# Allegro board STANDARD.brd (continued)
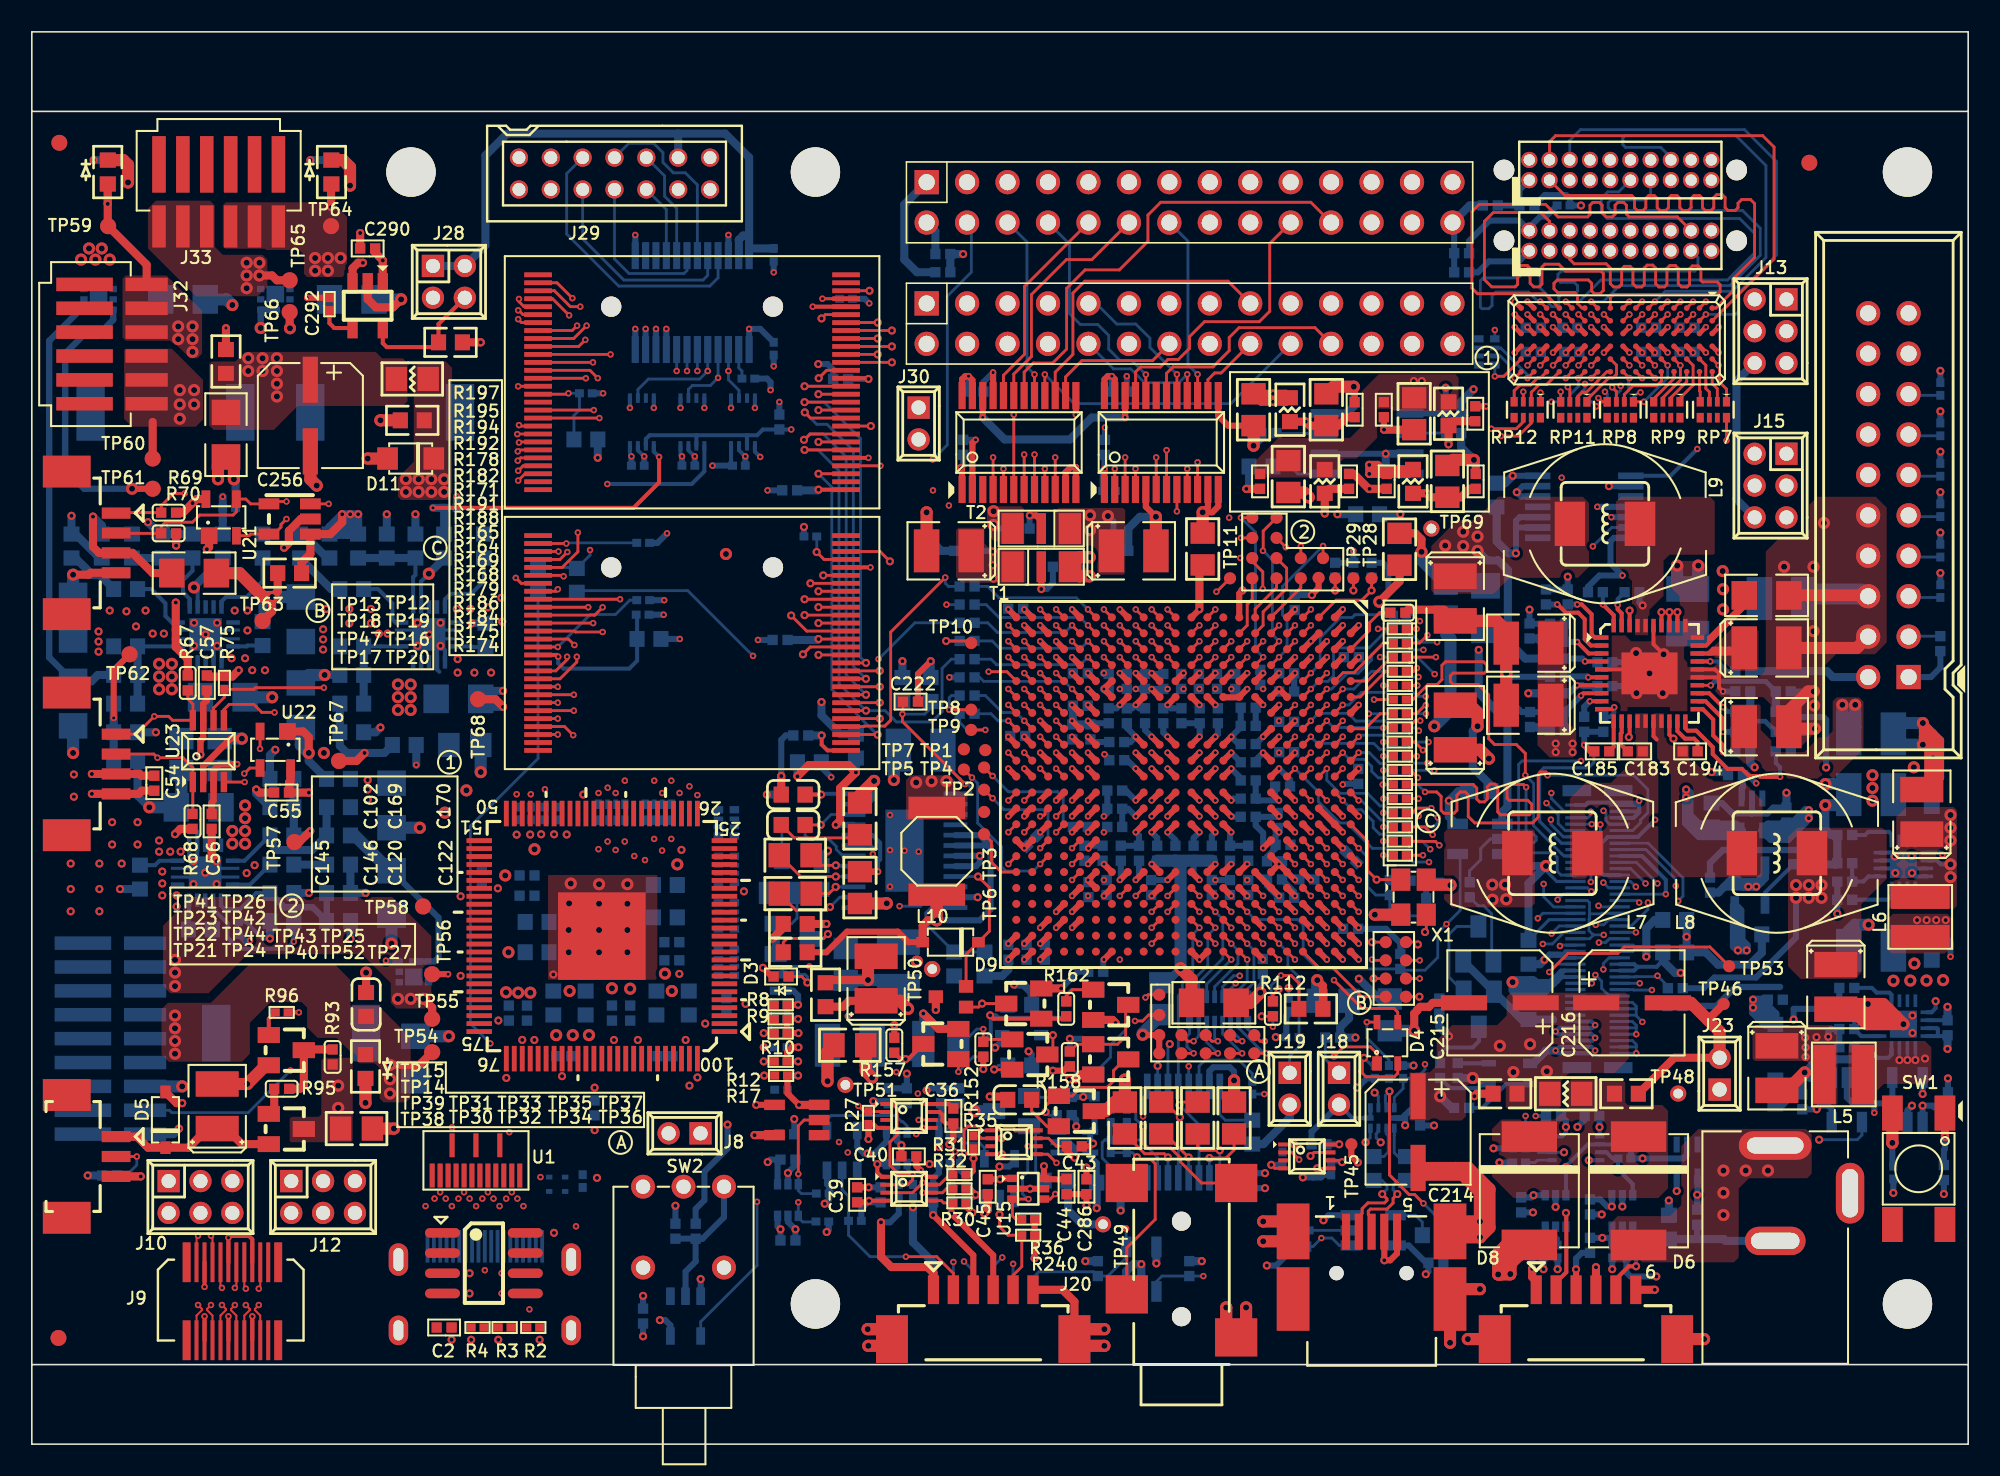
[diagram p0: board, top side]
## Routing (per net, layer and track width the routed paths; a pad name or vN(x,y) marks a point on that pad's centre or on a via; arc(x,y) is an arc through that point) (continued)
SYS_DATA02: length 28.4
  TOP w0.178: U6.B2 v3(105.13,70.98)
  BOTTOM w0.178: J1.6 96.58,81.92 97.26,82.6 107.55,82.6 109.56,80.59 109.56,74.71 107.19,72.34 107.19,71.18 106.99,70.98 v3(105.13,70.98)
SYS_DATA03: length 28.3
  TOP w0.178: U6.B1 v3(105.13,71.78)
  3-SIG w0.122: J1.5 96.25,79.42 96.02,79.19 96.02,78.81 96.23,78.61 101.11,78.61 101.23,78.49 101.23,77.76 101.36,77.63 103.09,77.63 103.21,77.76 103.21,78 103.09,78.12 101.84,78.12 101.72,78.24 101.72,78.49 101.84,78.61 108.34,78.61 108.69,78.26 108.69,73.55 108.39,73.25 107.66,73.25 107.02,72.61 107.02,72.08 106.72,71.78 v3(105.13,71.78)
SYS_DATA04: length 28.2
  TOP w0.178: U6.C2 v3(104.33,70.98)
  3-SIG w0.122: J1.8 97.85,81.5 98.66,82.32 107.1,82.32 109.28,80.13 109.28,71.4 108.8,70.91 107.27,70.91 106.98,70.62 104.69,70.62 v3(104.33,70.98)
SYS_DATA05: length 28.2
  TOP w0.178: U6.C1 v3(104.33,71.78)
  4--SIG w0.122: v3(104.33,71.78) 104.56,71.78 104.96,72.18 105.95,72.18 108.06,74.29 108.06,77.64 107.38,78.33 104.03,78.33 103.9,78.21 103.9,77.96 104.03,77.84 107.08,77.84 107.2,77.72 107.2,77.48 107.08,77.35 98.37,77.35 97.85,77.87 J1.7
SYS_DATA06: length 28.2
  TOP w0.178: U6.D2 v3(103.53,70.98)
  3-SIG w0.122: 102.93,74.98 102.93,74.55 103.29,74.19 107.81,74.19 108.11,74.49 108.11,76.32 107.52,76.92 103.86,76.92 103.74,77.04 103.74,77.41 103.87,77.54 107.78,77.54 108.47,76.86 108.47,74.06 107.96,73.55 107.12,73.55 106.74,73.17 106.74,72.44 106.46,72.16 104.07,72.16 103.9,71.98 103.9,71.6 103.53,71.23 v3(103.53,70.98)
SYS_DATA07: length 28.2
  TOP w0.178: U6.D1 v3(103.53,71.78)
  4--SIG w0.122: v3(103.53,71.78) 103.53,73.71 103.65,73.83 103.89,73.83 104.02,73.71 104.02,72.29 104.14,72.17 104.38,72.17 104.5,72.29 104.5,73.71 104.62,73.83 104.87,73.83 104.99,73.71 104.99,72.75 105.11,72.63 105.36,72.63 105.48,72.75 105.48,73.51 105.67,73.71 106.49,73.71 106.59,73.81 106.59,74.12 106.44,74.27 103.28,74.27 103.15,74.14 103.15,72.44 103.01,72.29 101.3,72.29 101.18,72.41 101.18,72.66 101.3,72.78 102.62,72.78 102.74,72.9 102.74,73.14 102.62,73.27 101.3,73.27 101.18,73.39 101.18,73.63 101.3,73.75 102.62,73.75 102.74,73.87 102.74,74.12 102.62,74.24 99.86,74.24 J4.9
SYS_DATA08: length 28.3
  TOP w0.178: U6.E2 v3(102.73,70.98)
  3-SIG w0.122: J4.11 99.88,74.47 99.63,74.47 99.32,74.16 99.32,69.52 99.81,69.03 106.97,69.03 107.1,69.16 107.1,69.42 106.95,69.57 100.09,69.57 99.86,69.8 99.86,72.01 100.06,72.21 102.02,72.21 102.29,71.94 102.29,71.42 v3(102.73,70.98)
SYS_DATA09: length 28.2
  TOP w0.178: U6.E1 v3(102.73,71.78)
  3-SIG w0.122: v3(102.73,71.78) 102.73,72.23 102.96,72.46 105.76,72.46 106,72.71 106,73.55 105.75,73.81 103.01,73.81 102.91,73.91 102.91,74.11 102.78,74.24 102.54,74.24 102.42,74.12 102.42,73.76 102.32,73.66 102.09,73.66 101.99,73.76 101.99,74.11 101.92,74.19 101.58,74.19 101.48,74.08 101.48,73.94 101.35,73.81 100.29,73.81 100.14,73.66 100.14,73.48 100.29,73.32 105.53,73.32 105.65,73.2 105.65,72.96 105.53,72.83 99.82,72.83 99.65,73 99.65,73.68 100.19,74.22 100.85,74.22 101.61,74.98 101.66,74.98
SYS_DATA10: length 28.3
  TOP w0.178: U6.F2 v3(101.93,70.98)
  4--SIG w0.122: J1.10 99.12,81.68 99.73,82.29 108.01,82.29 108.51,81.79 108.51,73.5 107.3,72.3 107.3,71.22 106.7,70.62 102.29,70.62 v3(101.93,70.98)
SYS_DATA11: length 28.2
  TOP w0.178: U6.F1 v3(101.93,71.78)
  BOTTOM w0.178: 102.93,80.69 102.93,80.84 102.3,81.48 100.09,81.48 99.91,81.66 99.91,82.06 100.06,82.22 107.02,82.22 108.9,80.34 108.9,74.56 106.78,72.44 102.58,72.44 v3(101.93,71.78)
SYS_DATA12: length 28.3
  TOP w0.178: U6.G2 v3(101.13,70.98)
  4--SIG w0.122: J1.9 99.83,78.71 102.51,78.71 102.63,78.59 102.63,78.35 102.51,78.22 100.74,78.22 100.62,78.1 100.62,77.86 100.74,77.74 103,77.74 103.12,77.86 103.12,78.59 103.24,78.71 107.55,78.71 108.29,77.98 108.29,73.98 105.67,71.37 101.51,71.37 v3(101.13,70.98)
SYS_DATA13: length 28.2
  TOP w0.178: U6.G1 v3(101.13,71.78)
  6-SIG w0.122: J4.10 98.33,77.03 91.7,77.03 91.3,76.63 91.3,74.72 91.98,74.04 96.63,74.04 96.76,73.92 96.76,73.18 96.85,73.09 99.1,73.09 99.2,73.18 99.2,73.43 99.08,73.55 97.37,73.55 97.24,73.67 97.24,73.92 97.37,74.04 100.57,74.04 101.13,73.48 v3(101.13,71.78)
SYS_DATA14: length 28.2
  TOP w0.178: U6.H1 v3(100.33,71.78)
  3-SIG w0.122: v3(100.33,71.78) 100.72,71.39 100.72,70.86 101.03,70.56 103.67,70.56 103.92,70.81 103.92,71.12 104.18,71.37 107.02,71.37 107.25,71.6 107.25,72.34 107.77,72.85 108.73,72.85 109,73.12 109,79.6 106.74,81.86 101.56,81.86 J1.12
SYS_DATA15: length 28.2
  TOP w0.178: U6.H2 v3(100.33,70.98)
  4--SIG w0.122: J4.7 97.85,74.75 98.33,74.27 99.21,74.27 99.58,73.9 100.65,73.9 100.78,73.77 100.78,72.38 100.65,72.25 100.41,72.25 100.29,72.38 100.29,73.29 100.17,73.41 99.92,73.41 99.8,73.29 99.8,70.78 99.68,70.65 99.44,70.65 99.31,70.78 99.31,73.64 99.19,73.76 98.95,73.76 98.83,73.64 98.83,71.56 98.7,71.44 98.46,71.44 98.34,71.56 98.34,73.74 98.2,73.88 97.69,73.88 97.52,73.71 97.52,69.9 97.7,69.72 100.38,69.72 100.69,70.03 100.69,70.62 v3(100.33,70.98)
SYS_DATA16: length 28.2
  TOP w0.178: U6.J2 v3(98.73,70.98)
  3-SIG w0.122: v3(98.73,70.98) 98.35,70.61 92.64,70.61 92.26,70.99 92.26,72.03 92.47,72.23 95.56,72.23 95.72,72.39 95.72,72.72 95.56,72.87 91.45,72.87 91.13,73.19 91.13,76.81 91.81,77.49 96.56,77.49 97.8,76.25 J4.8
SYS_DATA17: length 28.2
  TOP w0.178: J4.5 96.58,74.44 96.86,74.16 98.87,74.16 99.13,73.9 99.13,72.91 99.33,72.71 99.69,72.71 99.84,72.86 99.84,73.83 100.02,74.01 100.37,74.01 100.55,73.83 100.55,72.91 100.75,72.71 101.11,72.71 101.26,72.86 101.26,73.9 101.44,74.08 101.79,74.08 101.97,73.9 101.97,72.91 102.18,72.71 102.53,72.71 102.68,72.86 102.68,73.88 102.86,74.06 103.22,74.06 103.39,73.88 103.39,72.91 103.6,72.71 103.95,72.71 104.11,72.86 104.11,73.85 104.28,74.03 104.64,74.03 104.82,73.85 104.82,73.12 104.92,73.02 105.85,73.02 106.02,72.85 106.02,72.41 105.85,72.23 99.31,72.23 99.13,72.05 U6.J1
SYS_DATA18: length 28.2
  TOP w0.178: U6.K2 v3(97.93,70.98)
  3-SIG w0.122: J4.6 96.58,76.83 96.4,77.01 92.34,77.01 91.35,76.02 91.35,74.37 92.5,73.21 97.81,73.21 97.91,73.31 97.91,73.55 97.76,73.7 94.27,73.7 94.14,73.82 94.14,74.07 94.27,74.19 98.56,74.19 98.82,73.94 98.82,71.7 98.1,70.98 v3(97.93,70.98)
SYS_DATA19: length 28.3
  TOP w0.178: U6.K1 v3(97.93,71.78)
  BOTTOM w0.178: 101.66,79.42 101.66,78.51 101.33,78.18 99.17,78.18 98.99,78 98.99,77.69 99.17,77.52 107.43,77.52 108.54,76.4 108.54,74.7 106.63,72.79 99.71,72.79 98.7,71.78 v3(97.93,71.78)
SYS_DATA20: length 28.2
  TOP w0.178: U6.L2 v3(97.13,70.98)
  4--SIG w0.122: J4.3 95.31,74.42 95.46,74.27 97.04,74.27 97.16,74.14 97.16,71.99 97.04,71.87 96.79,71.87 96.67,71.99 96.67,73.72 96.55,73.85 96.31,73.85 96.18,73.72 96.18,72.27 96.06,72.15 95.82,72.15 95.7,72.27 95.7,73.75 95.58,73.87 95.33,73.87 95.21,73.75 95.21,72.65 95.09,72.53 94.84,72.53 94.72,72.65 94.72,74.12 94.6,74.24 94.36,74.24 94.23,74.12 94.23,72.65 94.11,72.53 93.87,72.53 93.75,72.65 93.75,74.12 93.62,74.24 93.38,74.24 93.26,74.12 93.26,72.97 93.16,72.87 92.61,72.87 92.49,72.75 92.49,72.44 92.75,72.18 95.06,72.18 95.23,72.01 95.23,71.55 95.39,71.4 97.17,71.4 97.22,71.34 97.22,71.07 v3(97.13,70.98)
SYS_DATA21: length 28.2
  TOP w0.178: U6.L1 97.35,71.38 97.06,71.68 97.06,72.18 96.89,72.36 95.82,72.36 95.59,72.59 95.59,72.95 95.79,73.15 97.75,73.15 97.95,72.95 97.95,72.46 98.13,72.28 98.49,72.28 98.69,72.49 98.69,73.55 98.54,73.71 96.33,73.71 95.9,74.14 95.01,74.14 94.83,73.96 94.83,72.89 94.66,72.72 94.32,72.72 94.09,72.95 94.09,73.88 93.91,74.06 93.51,74.06 93.3,73.86 93.3,72.87 93.15,72.72 91.68,72.72 91.22,73.17 91.22,76.83 91.78,77.39 94.75,77.39 95.31,76.83 J4.4
SYS_DATA22: length 28.3
  TOP w0.178: U6.M2 v3(96.33,70.98)
  6-SIG w0.122: v3(96.33,70.98) 96.69,70.62 105.46,70.62 108.39,73.55 108.39,80.14 106.93,81.61 102.58,81.61 101.66,80.69
SYS_DATA23: length 28.3
  TOP w0.178: U6.M1 v3(96.33,71.78)
  BOTTOM w0.178: v3(96.33,71.78) 97.17,71.78 98.54,73.15 106.49,73.15 108.19,74.85 108.19,76.07 107.25,77.01 98.94,77.01 98.56,77.39 98.56,78.28 98.97,78.69 99.65,78.69 J1.11
SYS_DATA_EN: length 28.3
  TOP w0.178: U6.P1 v3(94.73,71.78)
  BOTTOM w0.178: v3(94.73,71.78) 94.59,71.78 93.99,72.39 91.93,72.39 91.7,72.16 91.7,71.55 91.5,71.34 91.07,71.34 90.97,71.45 90.97,73.1 91.15,73.28 93.33,73.28 93.91,73.86 94.52,73.86 94.72,73.66 94.72,72.64 95.29,72.08 95.29,71.65 95.46,71.47 95.72,71.47 95.9,71.65 95.9,72.08 96.1,72.28 96.92,72.28 97.07,72.44 97.07,72.79 96.87,73 95.99,73 95.84,73.15 95.84,73.5 96.04,73.71 104.43,73.71 104.63,73.91 104.63,74.55 J4.17
SYS_GPIO5: length 8.5
  TOP w0.178: U8.14 64.92,67.06 65.94,68.08 70.38,68.08 J6.14
SYS_GPIO6: length 18.9
  TOP w0.178: U8.15 64.27,67.36 65.38,68.47 65.38,72.32 66.13,73.07 75.12,73.07 J6.17
SYS_HSYNC: length 28.2
  TOP w0.178: J4.18 103.34,77.11 100.32,77.11 100.14,77.29 100.14,77.85 99.96,78.03 99.61,78.03 99.43,77.85 99.43,77.29 99.25,77.11 98.87,77.11 98.61,77.36 98.61,77.85 98.44,78.03 98.03,78.03 97.85,77.85 97.85,77.26 97.7,77.11 95.84,77.11 95.06,77.9 90.89,77.9 90.43,77.44 90.43,72.64 90.79,72.28 95.03,72.28 95.53,71.78 U6.N1
SYS_I2C1_SCL: length 108.4
  TOP w0.178: v3(15.24,45.98) 14.44,45.98 13.94,46.48 12.39,46.48 12.06,46.15 U23.5
  6-SIG w0.122: v3(15.24,45.98) 20.64,51.38 20.64,52.78 21.93,54.07 28.53,54.07 32.99,58.53 35.79,58.53 38.06,60.8 38.06,66.67 46.47,75.08 56.53,75.08 57.08,75.64 89.7,75.64 91.45,77.39 100.52,77.39 101.66,76.25
SYS_I2C1_SDA: length 113.4
  TOP w0.178: U23.4 v3(13.36,41.6)
  6-SIG w0.122: 102.93,79.42 102.14,78.63 95.59,78.63 95.06,78.1 94.19,78.1 94.19,78.1 54.8,78.1 52.52,75.83 46.19,75.83 36.87,66.51 36.87,60.36 35.74,59.23 32.79,59.23 28.94,55.38 22.04,55.38 18.44,51.78 18.04,51.78 16.09,49.83 16.09,49.03 13.84,46.78 13.84,42.08 v3(13.36,41.6)
SYS_I2C_OE: length 94.1
  TOP w0.178: 11.41,45.48 11.41,46.25 12.09,46.93 R75.1 13.94,47.43 14.04,47.53 v3(18.34,47.53)
  6-SIG w0.122: v3(18.34,47.53) 19.89,47.53 23.09,50.73 23.09,51.23 25.19,53.33 28.59,53.33 33.14,57.88 36.04,57.88 39.91,61.75 39.91,67.56 45.27,72.92 87.97,72.92 89.22,71.68
SYS_MSTR_MUX_SEL: length 68.9
  6-SIG w0.122: v3(56.58,61.87) 50.2,55.5 50.2,49.73 48.58,48.1 48.58,32.1 48.17,31.7 48.17,28.35 48.63,27.89 48.63,15.69 v3(48.13,15.2)
  BOTTOM w0.178: v3(48.13,15.2) U4.4 48.13,14.24 48.4,13.97 49.31,13.97 49.34,13.99 R13.1 ; v3(56.58,61.87) 57.49,62.78 57.49,72.13 59,73.64 59,76.49 J3.4
SYS_PCLK: length 28.3
  TOP w0.178: U6.N2 v3(95.53,70.98)
  4--SIG w0.122: 102.93,76.25 102.22,76.96 93.57,76.96 93.45,77.08 93.45,77.32 93.55,77.42 96.43,77.42 96.56,77.54 96.56,77.79 96.43,77.91 93.01,77.91 91.4,76.3 91.4,72.92 92.95,71.37 94.9,71.37 95.29,70.98 v3(95.53,70.98)
SYS_TRIG_IN_1: length 13.1
  TOP w0.178: U8.20 61.02,67.16 62.34,68.48 62.34,72.74 J3.10
SYS_TRIG_IN_2: length 14.8
  TOP w0.178: U8.19 61.67,67.24 62.77,68.34 62.77,72.23 64.97,74.43 66.57,74.43 68.9,76.76
SYS_TRIGGER_SEL: length 67.7
  TOP w0.178: v3(64.27,15.72) 63.95,15.4 U15.4
  4--SIG w0.122: v3(64.27,15.72) 64.27,17.12 63.98,17.41 63.98,20.45 67.09,23.57 69.12,23.57 75.5,29.94 77.38,29.94 77.94,30.5 77.94,36.27 77.71,36.5 77.71,37.32 77.69,37.34 77.69,54.47 75.19,56.97 v3(75.19,58.21)
  6-SIG w0.122: v3(75.19,58.21) 75.19,64.08 77.86,66.75 77.86,70.48 J6.19
SYS_UART0_RXD: length 11.6
  TOP w0.178: U8.17 v3(62.97,67.21)
  BOTTOM w0.178: v3(62.97,67.21) 62.49,67.68 62.49,75.54 J3.6
SYS_UART_SEL: length 19.1
  TOP w0.178: U8.16 v3(63.62,67.21)
  BOTTOM w0.178: J6.20 75.3,65.38 65.45,65.38 v3(63.62,67.21)
SYS_USB_DN: length 73.3
  4--SIG w0.12: v1(83.76,18.97) 84.12,19.33 84.12,19.73 85.77,21.37 85.77,25.95 85.27,26.45 85.27,46.38 83.89,47.76 83.89,51.62 82.33,53.18 82.33,55.8 75.07,63.06 62.2,63.06 60.77,64.48 60.77,67.8 59.9,68.67 59.9,70.51 J6.3
  BOTTOM w0.183: v1(83.76,18.97) 84.04,19.25 84.04,19.61 84.06,19.63 U27.4
SYS_USB_DP: length 73.3
  4--SIG w0.12: J6.5 60.13,70.53 60.13,68.76 61,67.89 61,64.57 62.29,63.28 75.17,63.28 82.55,55.89 82.55,53.27 84.11,51.71 84.11,47.85 85.49,46.47 85.49,26.54 85.99,26.04 85.99,21.28 84.34,19.64 84.34,19.33 v1(84.71,18.97)
  BOTTOM w0.183: U27.3 84.56,19.64 84.42,19.5 84.42,19.25 v1(84.71,18.97)
SYS_USB_SEL: length 28.9
  TOP w0.178: J3.22 80.32,78.03 70.89,78.03 70.09,77.23 70.09,75.58 68.29,73.78 66.14,73.78 64.98,72.62 64.98,68.8 64.11,67.93 62.89,67.93 62.32,67.36 U8.18
SYS_VSYNC: length 28.3
  TOP w0.178: U6.P2 v3(94.73,70.98)
  6-SIG w0.122: v3(94.73,70.98) 95.11,71.37 105.42,71.37 108.06,74.01 108.06,76.45 107.31,77.2 104.28,77.2 104.18,77.29 104.18,77.93 104.3,78.05 104.55,78.05 104.67,77.93 104.67,77.78 104.79,77.66 105.03,77.66 105.16,77.78 105.16,77.93 105.28,78.05 105.52,78.05 105.64,77.93 105.64,77.78 105.74,77.69 106.06,77.69 106.18,77.81 106.18,78.46 105.91,78.73 104.9,78.73 J1.17
T_TRIG1_IN_CON: length 9.9
  TOP w0.178: U10.1 54.05,21.37 54.34,21.08 54.34,19.43 53.89,18.98 53.89,17.52 54.45,16.96 v3(55.31,16.96) 55.31,16.6 55.01,16.3 U12.2
  BOTTOM w0.178: R29.1 55.33,16.93 v3(55.31,16.96) 55.31,16.96 54.97,17.3 U11.4
T_TRIG2_IN_CON: length 11.5
  TOP w0.178: U12.3 55.31,15.8 v3(55.94,16.43) ; v3(58.54,18.27) 58.54,19.73 58.79,19.98 59.4,19.98 59.66,19.72 U14.1
  4--SIG w0.122: v3(55.94,16.43) 56.7,16.43 v3(58.54,18.27)
  BOTTOM w0.178: v3(58.54,18.27) 58.27,17.99 U13.4 58.27,17.1 58.63,16.73 R34.1
TCK: length 110.1
  TOP w0.178: U7.R18 v3(68.32,34.45)
  3-SIG w0.122: v3(68.32,34.45) 68.79,34.92 68.79,47.55 69.2,47.95 78.39,47.95 78.78,48.33 78.78,53.07 81.03,55.32 95.77,55.32 96.43,55.98 113.34,55.98 114.34,56.97 116.47,56.97 J24.9
  4--SIG w0.122: v3(54.29,23.38) 54.66,23.75 55.33,23.75 57.34,25.75 57.34,31.57 60.61,34.85 67.93,34.85 v3(68.32,34.45)
  6-SIG w0.122: v3(54.29,23.38) 54.04,23.13 54.04,15.28 v3(57.87,11.45)
  BOTTOM w0.178: J24.9 117.94,58.28 R106.2 ; J25.5 v3(57.87,11.45)
TDI: length 108.5
  TOP w0.178: U7.P18 v3(69.32,34.45)
  3-SIG w0.122: v3(69.32,34.45) 69.86,34.99 69.86,45.92 71.02,47.08 78.52,47.08 79.69,48.26 79.69,53.38 80.54,54.23 90.51,54.23 90.71,54.02 104.61,54.02 104.86,54.28 116.86,54.28 J24.5
  4--SIG w0.122: v3(55.54,19.48) 55.2,19.82 55.2,22.42 57.85,25.07 57.85,31.24 60.61,34.01 68.88,34.01 v3(69.32,34.45)
  6-SIG w0.122: v3(55.54,19.48) 55.54,19.08 57.08,17.54 57.08,14.34 60.09,11.33 v3(61.62,11.33)
  BOTTOM w0.178: R104.2 117.94,53.2 J24.5 ; J25.2 v3(61.62,11.33)
TDO1: length 43.6
  TOP w0.178: U7.L18 v3(73.32,34.45)
  3-SIG w0.122: v3(55.64,22.03) 55.64,22.28 56.01,22.65 62.72,22.65 64.25,24.19 72.05,24.19 72.59,24.73 72.59,28.53 72.78,28.72 72.78,30.04 72.55,30.27 72.55,33.68 v3(73.32,34.45)
  6-SIG w0.122: v3(58.54,11.48) 55.97,14.05 55.97,15.03 54.85,16.15 54.85,17.96 55.13,18.24 55.13,21.52 v3(55.64,22.03)
  BOTTOM w0.178: v3(58.54,11.48) 59.12,10.9 J25.4
TDO2: length 78.7
  TOP w0.178: U7.M18 v3(71.32,34.45)
  3-SIG w0.122: J24.13 119.09,62.21 119.09,53.09 118.04,52.04 114.06,52.04 113.07,53.03 104.79,53.03 104.56,53.26 85.89,53.26 83.63,51 80.22,51 79.96,50.73 79.96,47.7 79.12,46.86 72.68,46.86 70.93,45.11 70.93,34.85 v3(71.32,34.45)
  BOTTOM w0.178: R108.2 117.94,63.36 J24.13
TMS1: length 40.6
  TOP w0.178: U7.V15 v3(65.32,37.45)
  6-SIG w0.122: v3(60.94,11.73) 60.94,12.78 61.34,13.18 61.34,20.13 60.77,20.7 60.27,20.7 57.24,23.73 57.24,27.53 55.04,29.72 55.04,31.3 55.92,32.18 55.92,35.11 58.44,37.63 60.64,37.63 61.19,37.08 64.96,37.08 v3(65.32,37.45)
  BOTTOM w0.178: J25.3 60.37,11.16 v3(60.94,11.73)
TMS2: length 79.1
  TOP w0.178: U7.V16 v3(65.32,36.45)
  3-SIG w0.122: J24.7 118.78,56.74 118.78,58.74 118.24,59.28 97.09,59.28 96.79,58.98 87.54,58.98 85.96,57.4 74.51,57.4 72.88,55.77 72.88,49.91 71.92,48.94 68.23,48.94 67.85,48.56 67.85,37.54 67.29,36.98 65.85,36.98 v3(65.32,36.45)
  BOTTOM w0.178: R105.2 117.94,55.74 J24.7
TRACEPKT0: length 2.6
  TOP w0.178: v3(77.43,25.32) 77.15,25.32 TP37.1
  BOTTOM w0.178: v3(77.43,25.32) 77.12,25.32 76.36,26.08 RN1.9
TRACEPKT0R: length 4.4
  TOP w0.178: U7.H21 v3(76.32,31.45)
  BOTTOM w0.178: RN1.8 76.36,28.61 76.74,29 76.74,31.03 v3(76.32,31.45)
TRACEPKT1: length 3.5
  TOP w0.178: TP36.1 v3(77.53,24.56)
  BOTTOM w0.178: RN1.10 75.78,26.16 77.38,24.56 v3(77.53,24.56)
TRACEPKT1R: length 3.3
  TOP w0.178: U7.H22 v3(76.32,30.45)
  BOTTOM w0.178: v3(76.32,30.45) 76.32,29.08 75.78,28.54 RN1.7
TRACEPKT2: length 2.4
  TOP w0.178: TP35.1 75.63,25.32 v3(76.01,25.32)
  BOTTOM w0.178: v3(76.01,25.32) 75.28,26.05 RN1.11
TRACEPKT2R: length 6.6
  TOP w0.178: U7.J19 v3(75.32,33.45)
  3-SIG w0.122: v3(75.6,28.96) 74.89,29.67 74.89,33.01 v3(75.32,33.45)
  BOTTOM w0.178: v3(75.6,28.96) 75.6,28.93 75.28,28.61 RN1.6
TRACEPKT3: length 3.2
  TOP w0.178: TP34.1 v3(76.01,24.56)
  BOTTOM w0.178: RN1.12 74.78,25.79 v3(76.01,24.56)
TRACEPKT3R: length 5.9
  TOP w0.178: U7.J20 v3(75.32,32.45)
  3-SIG w0.122: v3(75.86,29.43) 75.85,29.43 75.85,31.92 v3(75.32,32.45)
  BOTTOM w0.178: RN1.5 74.78,28.74 75.47,29.43 v3(75.86,29.43)
TRACEPKT4: length 2.2
  TOP w0.178: v3(74.48,25.32) 74.1,25.32 TP33.1
  BOTTOM w0.178: RN1.13 74.28,25.52 v3(74.48,25.32)
TRACEPKT4R: length 4.8
  TOP w0.178: U7.J21 v3(75.32,31.45)
  BOTTOM w0.178: RN1.4 74.28,28.74 75.43,29.89 75.43,29.89 75.74,30.2 75.74,31.03 v3(75.32,31.45)
TRACEPKT5: length 3
  TOP w0.178: TP32.1 v3(74.48,24.56)
  BOTTOM w0.178: v3(74.48,24.56) 73.78,25.26 RN1.14
TRACEPKT5R: length 3.7
  TOP w0.178: U7.J22 v3(75.32,30.45)
  BOTTOM w0.178: v3(75.32,30.45) 73.78,28.91 RN1.3
TRACEPKT6: length 2.2
  TOP w0.178: TP31.1 72.58,25.32 v3(72.96,25.32)
  BOTTOM w0.178: RN1.15 73.28,25.64 v3(72.96,25.32)
TRACEPKT6R: length 6.9
  TOP w0.178: U7.K19 v3(74.32,33.45)
  BOTTOM w0.178: RN1.2 73.28,29 74.79,30.51 74.79,32.98 v3(74.32,33.45)
TRACEPKT7: length 3
  TOP w0.178: TP30.1 v3(72.96,24.56)
  BOTTOM w0.178: RN1.16 72.71,25.8 72.54,25.63 72.54,24.98 v3(72.96,24.56)
TRACEPKT7R: length 5.7
  TOP w0.178: U7.K20 v3(74.32,32.45)
  BOTTOM w0.178: RN1.1 72.71,28.93 73.85,30.07 73.85,31.97 v3(74.32,32.45)
TRIG1_IN_CON: length 12.9
  TOP w0.178: v3(54.89,11.78) 56.82,11.78 57.87,10.73 J11.2
  BOTTOM w0.178: U51.2 50.89,15.98 51.29,15.58 51.29,14.58 51.29,14.58 R239.1 51.29,13.13 52.64,11.78 v3(54.89,11.78)
TRIG1_IN_T: length 6.5
  BOTTOM w0.178: U51.4 49.94,20.38 50.2,20.65 54.32,20.65 54.37,20.59 54.37,20.51 54.62,20.26 54.7,20.26 54.97,20 U11.3
TRIG1_OUT_CON: length 6
  TOP w0.254: v1(96.34,14.53) 96.37,14.51 96.37,10.8 95.73,10.17 J14.2
  BOTTOM w0.254: U16.4 v1(96.34,14.53)
TRIG2_IN_CON: length 7
  TOP w0.178: v1(60.77,14.43) 60.77,13.66 61.3,13.13 R240.1 62.17,11.16 61.62,10.61 J11.5
  BOTTOM w0.178: U52.2 v1(60.77,14.43)
TRIG2_IN_T: length 2.9
  BOTTOM w0.178: 59.82,17.93 59.82,18.62 59.52,18.92 58.45,18.92 58.27,19.1 U13.3
TRIG2_OUT_CON: length 4.8
  TOP w0.254: J14.5 99.48,10.37 100.29,11.18 v1(100.75,11.18)
  BOTTOM w0.254: U17.4 100.53,13.16 100.75,12.95 v1(100.75,11.18)
TRIG_IN_1: length 33
  TOP w0.178: U10.5 v3(55.94,19.87) ; U7.G19 v3(77.32,33.45)
  4--SIG w0.122: v3(55.94,19.87) 56.91,20.84 56.91,22.83 58.3,24.23 58.3,30.15 61,32.84 76.71,32.84 v3(77.32,33.45)
TRIG_IN_2: length 22
  TOP w0.178: U14.5 63.8,18.22 v3(64.35,17.67) ; U7.F22 v3(78.32,30.45)
  4--SIG w0.122: v3(78.32,30.45) 78.32,30.35 76.21,28.24 74.97,28.24 72.25,25.52 72.25,24.56 68.92,21.23 67.9,21.23 v3(64.35,17.67)
TRIG_OUT_1: length 32
  TOP w0.178: U7.C17 v3(81.32,35.45)
  3-SIG w0.122: v1(96.34,17.42) 91.42,22.34 91.42,27.63 84.06,35 81.78,35 v3(81.32,35.45)
  BOTTOM w0.254: R43.1 99.6,18.84 U18.2 97.72,18.84 96.34,17.46 v1(96.34,17.42) U16.3
TRIG_OUT_2: length 37.4
  TOP w0.178: U7.K21 v3(74.32,31.45)
  3-SIG w0.122: v1(99.61,17.27) 99.23,16.89 94.88,16.89 88.68,23.08 86.62,23.08 83.35,26.36 79.28,26.36 77.89,27.76 75.85,27.76 74.32,29.29 v3(74.32,31.45)
  BOTTOM w0.254: U18.3 98.89,18.34 99.27,17.95 R44.1 v1(99.61,17.27) 100.53,16.34 U17.3
TRSTZ: length 42.7
  TOP w0.178: U7.V17 v3(65.32,35.45)
  6-SIG w0.122: v3(65.32,35.45) 64.92,35.86 62.6,35.86 62.43,36.03 61.34,36.03 60.14,34.83 59.27,34.83 58.64,34.2 58.64,25.18 59.29,24.53 59.29,23.43 59.67,23.05 60.22,23.05 64.84,18.43 64.84,17.56 68.45,13.96 68.45,13.82 v3(68.72,13.55)
  BOTTOM w0.178: v3(68.72,13.55) U30.4 68.72,11.71 67.57,10.56 R101.1 66.67,10.83 63.24,10.83 62.87,10.46 J25.1
TRSTZ_IN: length 82.3
  3-SIG w0.122: v3(73.57,10.56) 79.69,10.56 82.56,13.43 84.59,13.43 87.59,16.43 110.29,16.43 113.99,20.13 113.99,44.23 116.64,46.88 116.64,49.52 J24.3
  BOTTOM w0.178: U30.1 70.62,10.21 70.97,10.56 R110.2 v3(73.57,10.56) ; J24.3 117.89,50.77 R103.1
UART0_CTSZ: length 11.2
  TOP w0.178: U7.L20 v3(73.32,32.45)
  BOTTOM w0.178: U24.12 72,28.17 72.25,28.42 72.25,29.05 72.9,29.71 72.9,32.03 v3(73.32,32.45)
UART0_RTSZ: length 12
  TOP w0.178: U7.M19 v3(71.32,33.45)
  3-SIG w0.122: v3(71.32,33.45) 71,33.13 71,27.32 71.46,26.86 v1(71.46,25.14)
  BOTTOM w0.178: U24.11 71.35,25.03 v1(71.46,25.14)
UART0_RXD: length 20
  TOP w0.178: U7.L21 v3(73.32,31.45) ; U25.5 v1(80.72,17.33)
  3-SIG w0.122: v1(80.72,17.33) 80.72,24.14 77.51,27.35 75.37,27.35 73.98,28.75 73.98,30.8 v3(73.32,31.45)
UART0_RXD_DRV: length 12.9
  TOP w0.178: U25.1 v1(79.28,18.83)
  4--SIG w0.122: v1(79.28,18.83) 78.74,19.38 71,19.38 v3(69.78,20.6)
  BOTTOM w0.178: v3(69.78,20.6) 69.78,21.76 70.05,22.03 U24.9
UART0_TXD: length 47.6
  TOP w0.178: U7.L19 v3(73.32,33.45) ; U9.4 v3(69.31,61.28)
  3-SIG w0.122: v1(70.7,23.77) 72.13,23.77 72.51,24.15 73.11,24.15 73.44,24.48 73.44,29.81 72.93,30.32 72.93,33.06 v3(73.32,33.45)
  4--SIG w0.122: v3(69.31,61.28) 69.89,61.28 72.68,58.49 72.68,56.09 75.83,52.94 75.83,41.86 74.84,40.86 74.84,37.66 73.75,36.57 73.75,33.87 v3(73.32,33.45)
  BOTTOM w0.178: U24.10 v1(70.7,23.77)
USB_DAT_N: length 5.5
  TOP w0.183: J21.2 83.33,14.29 83.54,14.5 83.54,14.8 83.91,15.16 84.95,15.16 85.1,15.31 85.1,15.42 v1(84.8,15.71)
  BOTTOM w0.183: R90.1 84.78,16.57 85.1,16.25 85.1,16.01 v1(84.8,15.71)
USB_DAT_NS: length 2.6
  BOTTOM w0.178: R90.2 84.9,18.07 85.18,18.35 85.18,19.37 85.15,19.4 85.15,19.41 85.06,19.5 U27.2
USB_DAT_P: length 5.4
  TOP w0.183: v1(85.75,15.71) 85.49,15.45 85.49,15.15 85.11,14.77 84.07,14.77 83.93,14.64 83.93,14.44 84.13,14.24 J21.3
  BOTTOM w0.183: v1(85.75,15.71) 85.49,15.98 85.49,16.26 85.8,16.57 R91.1
USB_DAT_PS: length 2.4
  BOTTOM w0.178: U27.1 85.56,19.4 85.56,18.31 85.8,18.07 R91.2
USB_ENZ: length 27.9
  TOP w0.178: U7.C18 v3(81.32,34.45)
  4--SIG w0.122: v3(81.32,34.45) 81.7,34.08 81.7,29.97 81.34,29.61 81.34,25.75 83.73,23.36 83.73,20.82 82.76,19.86 82.76,14.73 v3(80.99,12.95)
  BOTTOM w0.178: R85.1 80.45,12.42 v3(80.99,12.95) 81.65,12.95 82.11,12.48 U26.1
VBIAS: length 90
  TOP w0.508: R155.1 61.29,21.65 61.1,21.84 v1(60.16,21.84)
  3-SIG w0.381: v1(65.59,19.97) 63.71,21.84 v1(60.16,21.84)
  6-SIG w0.508: v2(55.59,30.32) 56.07,30.32 TP50.1 57.97,28.42 57.97,24.9 58.79,24.08 58.79,23.21 v1(60.16,21.84) 60.3,21.7 60.56,21.7 61.94,20.32 61.94,14.65 67.22,9.37 87.88,9.37 89.99,11.48 92.29,11.48 94.94,14.13 94.94,15.23 96.19,16.48 97.39,16.48 100.24,19.33 100.24,21.11 103.21,24.08 103.21,27.12 103.54,27.45 v1(103.54,29.61)
  BOTTOM w0.254: 100.86,29.99 100.63,29.76 J27.M14 ; 100.86,29.99 100.8,29.99 100.63,30.16 J27.M15 ; 100.86,29.99 102.04,29.99 102.42,30.38
  BOTTOM w0.38: R154.1 65.59,20.39 v1(65.59,19.97)
  BOTTOM w0.508: v1(103.54,29.61) 103.19,29.61 102.42,30.38 C243.2
VOFFSET: length 40
  TOP w0.38: C222.1 55.65,48.4 v1(56.45,49.2) ; v1(59.75,23.57) R152.1
  TOP w0.508: Q5.2 v1(56.77,27.29) ; C223.2 51.32,27.86 50.95,27.49 C224.2
  TOP w0.762: v2(55.03,27.35) 54.52,27.86 C223.2
  BOTTOM w0.254: 95.64,29.36 95,28.72 ; 95.64,29.36 95.95,29.67 ; 95.64,29.36 95.78,29.36 ; 95,28.72 94.81,28.53 ; 95,28.72 93.3,28.72 ; 96.11,29.36 96.11,29.61 96.25,29.76 ; 96.11,29.36 95.85,29.1 ; 96.11,29.36 J27.P13 ; 96.11,29.36 95.89,29.36 ; J27.P14 96.25,29.76 ; 96.25,29.76 96.04,29.76 95.95,29.67 ; 95.95,29.67 95.95,29.42 95.89,29.36 ; 94.54,28.73 94.76,28.96 ; 94.54,28.73 94.69,28.73 ; 94.54,28.73 C245.2 94.23,27.94 94.69,27.94 94.93,28.18 ; 94.76,28.96 93.06,28.96 ; 94.76,28.96 94.91,29.1 ; 95.78,29.36 95.89,29.36 ; 95.78,29.36 95.52,29.1 ; 95.78,29.03 95.45,29.03 95.32,28.9 95.65,28.9 ; 95.78,29.03 95.85,29.1 ; 95.78,29.03 95.65,28.9 ; 95.16,29.1 94.91,29.1 ; 95.16,29.1 94.99,28.93 94.89,28.93 94.69,28.73 ; 95.16,29.1 95.52,29.1 ; 94.91,29.1 93.06,29.1 v2(92.99,29.03) ; 95.85,29.1 95.52,29.1 ; 94.69,28.73 94.49,28.53 94.81,28.53 ; 94.66,28.24 94.52,28.24 94.81,28.53 ; 95.65,28.9 94.93,28.18 ; 94.93,28.18 94.6,28.18
  BOTTOM w0.38: v1(62.6,24.69) 62.79,24.49 R153.1
  BOTTOM w0.508: 93.3,28.22 93.3,28.72 v2(92.99,29.03) 92.99,28.53 93.19,28.33 ; 93.3,28.22 93.19,28.33 ; 93.3,28.22 93.34,28.18 C245.2 94.6,28.18 ; 94.6,28.18 94.75,28.33 ; 94.6,28.18 94.66,28.24 ; 94.75,28.33 95.07,28.65 ; 94.75,28.33 93.19,28.33 ; 93.19,28.33 93.59,28.73 94.54,28.73 ; 95,28.72 95.07,28.65 ; 95.07,28.65 95.52,29.1 ; R143.1 v1(56.45,49.2)
  BOTTOM w0.76: v2(92.99,29.03) 94.24,29.03 94.54,28.73
VOFFSET_1: length 9.2
  TOP w0.178: v1(59.42,35.67) 59.6,35.48 59.62,35.48 60.13,34.97 60.13,32.23 D9.2 58.67,30.77 Q5.3